# KiCad board solderCurved.kicad_pcb (continued)
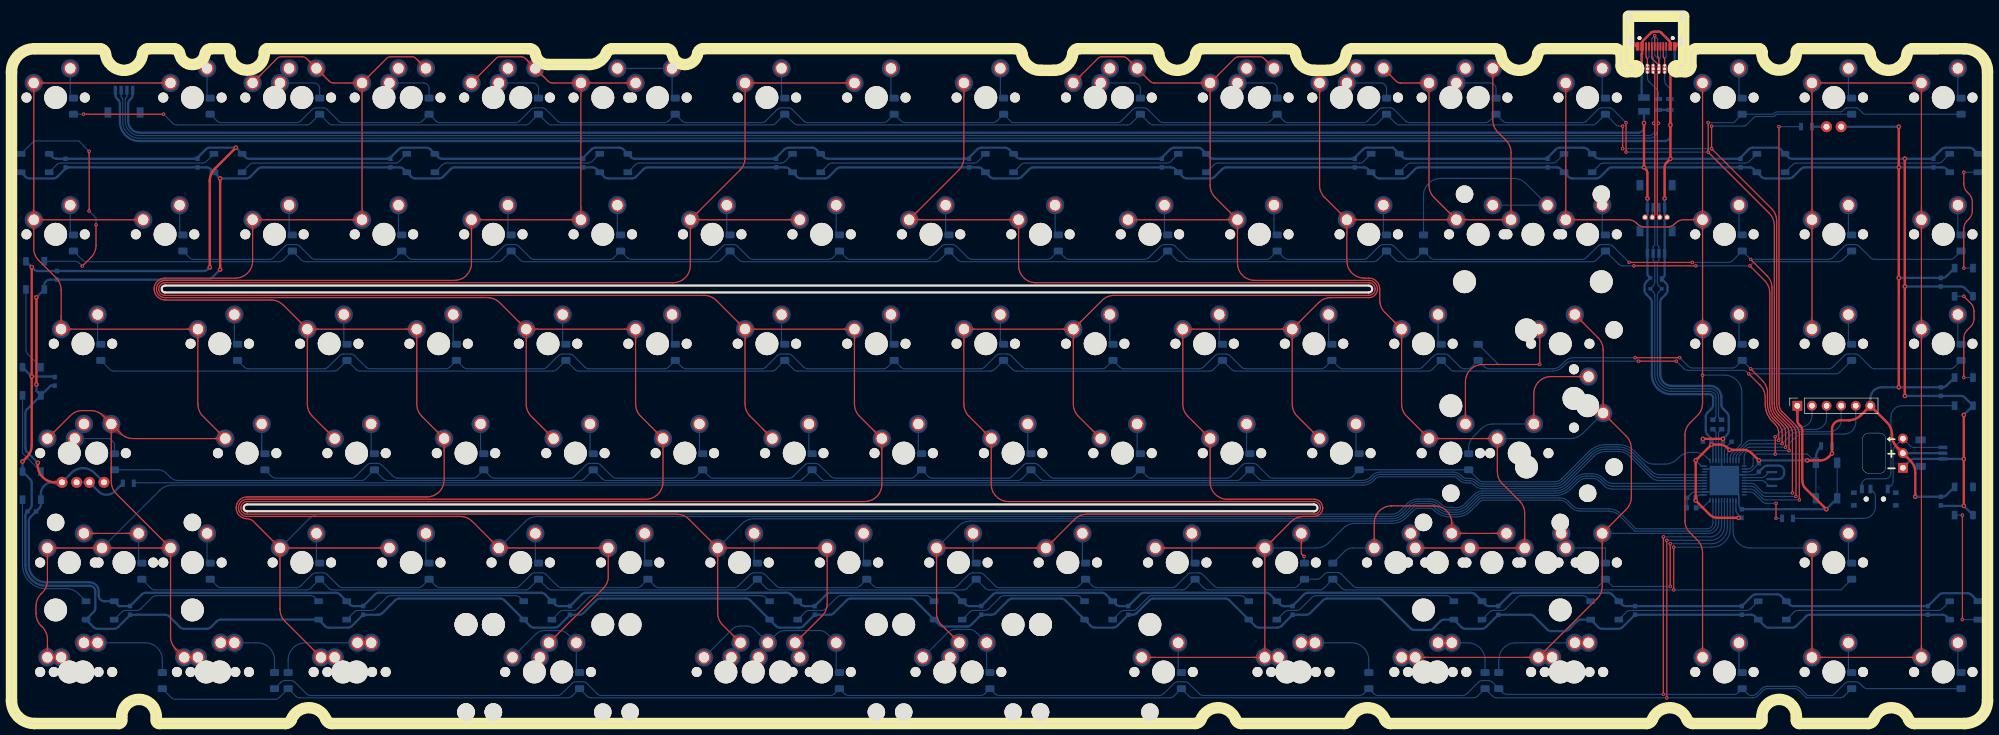
[diagram p0: board, top side]
## Copper pours and planes (outline as drawn; the poured copper is in the pictures) (continued)
Net-(D92-Pad2) on Bottom: 95.72,16.06 95.85,16.03 95.97,16 96.09,15.96 96.19,15.92 96.28,15.87 96.37,15.82 96.44,15.77 96.51,15.71 96.57,15.65 96.63,15.58 96.68,15.52 96.72,15.44 96.76,15.37 96.79,15.29 96.82,15.21 96.85,15.12 96.88,15.03 96.9,14.94 96.92,14.85 96.94,14.75 97.02,14.34 97.04,14.23 97.07,14.12 97.1,14.01 97.13,13.89 97.16,13.78 97.2,13.66 98.76,13.63 98.55,15.23 98.43,15.26 98.31,15.29 98.2,15.31 98.09,15.34 98,15.38 97.9,15.41 97.81,15.44 97.73,15.48 97.65,15.51 97.57,15.55 97.5,15.58 97,15.85 96.92,15.88 96.84,15.92 96.76,15.96 96.67,16 96.58,16.03 96.48,16.07 96.38,16.1 96.27,16.13 96.15,16.17 96.03,16.2 95.9,16.23 95.76,16.25
Net-(D92-Pad2) on Bottom: 89.41,13.84 89.31,13.75 89.21,13.66 89.12,13.59 89.03,13.52 88.94,13.46 88.85,13.41 88.77,13.37 88.69,13.33 88.6,13.3 88.52,13.28 88.44,13.26 88.36,13.24 88.28,13.23 88.2,13.22 88.12,13.21 88.04,13.21 87.62,13.2 87.53,13.19 87.44,13.18 87.34,13.17 87.24,13.16 87.14,13.14 87.03,13.12 86.93,13.1 86.81,13.06 86.7,13.03 86.65,10.95 88.73,10.99 88.77,11.11 88.8,11.22 88.83,11.33 88.85,11.43 88.87,11.54 88.88,11.63 88.89,11.73 88.9,11.82 88.9,11.91 88.92,12.34 88.92,12.42 88.93,12.5 88.93,12.58 88.95,12.66 88.96,12.74 88.98,12.82 89.01,12.9 89.04,12.98 89.07,13.06 89.12,13.15 89.17,13.23 89.23,13.32 89.29,13.41 89.37,13.51 89.45,13.6 89.55,13.7
Net-(D92-Pad2) on Bottom: 88.84,13.28 88.77,13.2 88.7,13.14 88.63,13.08 88.56,13.03 88.49,12.99 88.43,12.95 88.37,12.92 88.3,12.89 88.24,12.87 88.18,12.85 88.12,12.83 88.06,12.82 88.01,12.81 87.95,12.8 87.38,12.77 87.31,12.76 87.23,12.75 87.16,12.74 87.08,12.72 87,12.7 86.91,12.68 86.83,12.65 86.8,11.09 88.35,11.12 88.38,11.21 88.41,11.29 88.43,11.37 88.44,11.45 88.46,11.53 88.47,11.6 88.47,11.67 88.51,12.24 88.52,12.3 88.53,12.36 88.54,12.42 88.56,12.48 88.58,12.54 88.6,12.6 88.63,12.66 88.66,12.72 88.7,12.79 88.74,12.85 88.79,12.92 88.85,12.99 88.91,13.06 88.98,13.13
Net-(D93-Pad2) on Bottom: 169.87,11.66 169.87,11.77 169.88,11.86 169.89,11.95 169.9,12.03 169.91,12.11 169.93,12.18 169.95,12.25 169.98,12.31 170,12.37 170.03,12.43 170.06,12.48 170.1,12.53 170.13,12.58 170.17,12.63 170.55,13.06 170.59,13.11 170.64,13.17 170.68,13.24 170.72,13.3 170.77,13.37 170.81,13.45 170.85,13.53 169.77,14.65 168.69,13.53 168.73,13.45 168.77,13.37 168.82,13.3 168.86,13.24 168.91,13.17 168.95,13.11 168.99,13.06 169.37,12.63 169.41,12.58 169.44,12.53 169.48,12.48 169.51,12.43 169.54,12.37 169.56,12.31 169.59,12.25 169.61,12.18 169.63,12.11 169.64,12.03 169.65,11.95 169.66,11.86 169.67,11.77 169.67,11.66
Net-(D93-Pad2) on Bottom: 160.84,13.84 160.74,13.75 160.65,13.66 160.56,13.59 160.47,13.52 160.38,13.46 160.29,13.41 160.21,13.37 160.12,13.33 160.04,13.3 159.96,13.28 159.88,13.26 159.8,13.24 159.72,13.23 159.64,13.22 159.56,13.21 159.48,13.21 159.06,13.2 158.97,13.19 158.87,13.18 158.78,13.17 158.68,13.16 158.58,13.14 158.47,13.12 158.36,13.1 158.25,13.06 158.13,13.03 158.09,10.95 160.17,10.99 160.21,11.11 160.24,11.22 160.27,11.33 160.29,11.43 160.3,11.54 160.32,11.63 160.33,11.73 160.33,11.82 160.34,11.91 160.35,12.34 160.36,12.42 160.36,12.5 160.37,12.58 160.38,12.66 160.4,12.74 160.42,12.82 160.45,12.9 160.48,12.98 160.51,13.06 160.56,13.15 160.61,13.23 160.66,13.32 160.73,13.41 160.8,13.51 160.89,13.6 160.98,13.7
Net-(D93-Pad2) on Bottom: 160.28,13.28 160.2,13.2 160.13,13.14 160.06,13.08 160,13.03 159.93,12.99 159.87,12.95 159.8,12.92 159.74,12.89 159.68,12.87 159.62,12.85 159.56,12.83 159.5,12.82 159.44,12.81 159.38,12.8 158.81,12.77 158.74,12.76 158.67,12.75 158.59,12.74 158.52,12.72 158.43,12.7 158.35,12.68 158.26,12.65 158.23,11.09 159.79,11.12 159.82,11.21 159.84,11.29 159.86,11.37 159.88,11.45 159.89,11.53 159.9,11.6 159.91,11.67 159.95,12.24 159.95,12.3 159.96,12.36 159.98,12.42 159.99,12.48 160.01,12.54 160.04,12.6 160.06,12.66 160.1,12.72 160.13,12.79 160.18,12.85 160.23,12.92 160.28,12.99 160.35,13.06 160.42,13.13
Net-(D93-Pad2) on Bottom: 169.87,10.86 169.87,11 169.88,11.13 169.89,11.25 169.91,11.36 169.93,11.46 169.96,11.56 169.99,11.65 170.02,11.73 170.06,11.81 170.1,11.89 170.14,11.96 170.18,12.03 170.23,12.09 170.28,12.15 170.33,12.21 170.39,12.28 170.68,12.58 170.74,12.65 170.8,12.72 170.86,12.8 170.92,12.88 170.98,12.96 171.04,13.05 171.1,13.14 171.15,13.25 171.21,13.36 169.77,14.85 168.33,13.36 168.39,13.25 168.44,13.14 168.5,13.05 168.56,12.96 168.62,12.88 168.68,12.8 168.74,12.72 168.8,12.65 168.86,12.58 169.15,12.28 169.21,12.21 169.26,12.15 169.31,12.09 169.36,12.03 169.4,11.96 169.45,11.89 169.49,11.81 169.52,11.73 169.55,11.65 169.58,11.56 169.61,11.46 169.63,11.36 169.65,11.25 169.66,11.13 169.67,11 169.67,10.86
Net-(D93-Pad2) on Bottom: 168.01,15.67 168.08,15.6 168.14,15.53 168.2,15.46 168.25,15.39 168.29,15.33 168.33,15.26 168.36,15.2 168.39,15.14 168.42,15.08 168.44,15.02 168.45,14.96 168.46,14.9 168.47,14.84 168.48,14.78 168.52,14.21 168.52,14.14 168.54,14.07 168.55,13.99 168.56,13.91 168.58,13.83 168.61,13.75 168.64,13.66 170.19,13.63 170.16,15.19 170.08,15.22 169.99,15.24 169.91,15.26 169.83,15.28 169.76,15.29 169.69,15.3 169.61,15.31 169.04,15.34 168.99,15.35 168.93,15.36 168.87,15.37 168.81,15.39 168.75,15.41 168.69,15.43 168.62,15.46 168.56,15.49 168.5,15.53 168.43,15.57 168.36,15.62 168.3,15.68 168.22,15.74 168.15,15.82
Net-(D93-Pad2) on Bottom: 166.58,16.29 166.73,16.29 166.88,16.28 167.01,16.26 167.12,16.23 167.23,16.19 167.33,16.14 167.42,16.09 167.49,16.03 167.56,15.96 167.63,15.89 167.68,15.81 167.73,15.72 167.77,15.63 167.81,15.53 167.85,15.43 167.88,15.32 167.9,15.21 167.93,15.1 167.95,14.98 167.97,14.86 168.03,14.47 168.06,14.34 168.08,14.21 168.11,14.07 168.14,13.94 168.18,13.8 168.21,13.67 168.26,13.53 170.34,13.49 169.75,15.65 169.61,15.66 169.47,15.66 169.35,15.67 169.23,15.69 169.12,15.71 169.01,15.74 168.91,15.76 168.82,15.8 168.73,15.83 168.64,15.87 168.55,15.91 168.47,15.95 168.06,16.16 167.98,16.2 167.89,16.24 167.8,16.28 167.71,16.32 167.61,16.35 167.5,16.38 167.39,16.41 167.28,16.43 167.15,16.46 167.02,16.47 166.88,16.48 166.73,16.49 166.58,16.49
Net-(LED1-Pad1) on Bottom: 314.08,103.71 314.16,103.71 314.23,103.7 314.3,103.7 314.36,103.69 314.42,103.68 314.48,103.67 314.54,103.66 314.59,103.64 314.64,103.62 314.68,103.61 315.44,103.11 315.5,103.08 315.56,103.05 316.46,103.91 315.56,104.76 315.5,104.73 315.44,104.7 314.68,104.21 314.64,104.19 314.59,104.17 314.54,104.16 314.48,104.15 314.42,104.13 314.36,104.12 314.3,104.12 314.23,104.11 314.16,104.11 314.08,104.11
Net-(LED2-Pad1) on Bottom: 13.24,42.19 13.16,42.2 13.09,42.2 13.02,42.2 12.95,42.21 12.89,42.22 12.83,42.23 12.78,42.25 12.73,42.26 12.68,42.28 12.64,42.3 11.87,42.79 11.81,42.82 11.75,42.85 10.86,41.99 11.75,41.14 11.81,41.17 11.87,41.2 12.64,41.69 12.68,41.71 12.73,41.73 12.78,41.74 12.83,41.76 12.89,41.77 12.95,41.78 13.02,41.78 13.09,41.79 13.16,41.79 13.24,41.79
Net-(LED2-Pad1) on Bottom: 11.66,41.79 11.74,41.79 11.81,41.79 11.88,41.78 11.94,41.78 12.01,41.77 12.06,41.76 12.12,41.74 12.17,41.73 12.22,41.71 12.26,41.69 13.02,41.2 13.08,41.17 13.15,41.14 14.04,41.99 13.15,42.85 13.08,42.82 13.02,42.79 12.26,42.3 12.22,42.28 12.17,42.26 12.12,42.25 12.06,42.23 12.01,42.22 11.94,42.21 11.88,42.2 11.81,42.2 11.74,42.2 11.66,42.19
Net-(LED2-Pad1) on Bottom: 15.05,40.79 14.99,40.85 14.94,40.9 14.9,40.95 14.86,41.01 14.82,41.06 14.79,41.1 14.76,41.15 14.73,41.2 14.71,41.24 14.69,41.29 14.5,42.18 14.48,42.24 14.46,42.31 13.22,42.33 13.25,41.09 13.31,41.07 13.38,41.05 14.26,40.86 14.31,40.84 14.36,40.82 14.4,40.8 14.45,40.77 14.5,40.73 14.55,40.7 14.6,40.66 14.65,40.61 14.71,40.56 14.76,40.51
Net-(RGB1-Pad2) on Bottom: 6.7,80.58 5.93,80.93 5.46,80.48 5.93,80.03 6.7,80.38
Net-(RGB11-Pad4) on Bottom: 340.48,79.19 341.25,78.84 341.72,79.29 341.25,79.74 340.48,79.39
Net-(RGB11-Pad4) on Bottom: 341.33,95.88 342.11,95.53 342.57,95.98 342.11,96.43 341.33,96.08
Net-(RGB12-Pad2) on Bottom: 339.26,36.39 338.49,36.74 338.02,36.29 338.49,35.84 339.26,36.19
Net-(RGB12-Pad2) on Bottom: 341.33,17.99 342.1,17.64 342.57,18.09 342.1,18.54 341.33,18.19
Net-(RGB14-Pad2) on Bottom: 340.48,60.14 341.25,59.79 341.72,60.24 341.25,60.69 340.48,60.34
Net-(RGB14-Pad2) on Bottom: 339.26,74.49 338.49,74.84 338.02,74.39 338.49,73.94 339.26,74.29
Net-(RGB16-Pad2) on Bottom: 2.61,74.59 2.96,75.36 2.51,75.83 2.06,75.36 2.41,74.59
Net-(RGB17-Pad2) on Bottom: 2.02,56.14 2.37,56.91 1.92,57.38 1.47,56.91 1.82,56.14
Net-(RGB18-Pad2) on Bottom: 2.02,37.98 2.37,38.75 1.92,39.22 1.47,38.75 1.82,37.98
Net-(RGB19-Pad2) on Bottom: 52.32,22.13 52.38,22.11 52.43,22.09 52.48,22.07 52.52,22.05 52.56,22.03 52.6,22 52.63,21.98 52.66,21.96 52.98,21.13 53.63,21.11 53.6,21.77 52.38,22.32
Net-(RGB20-Pad2) on Bottom: 88.04,22.13 88.1,22.11 88.15,22.09 88.2,22.07 88.24,22.05 88.28,22.03 88.32,22 88.35,21.98 88.38,21.96 88.7,21.13 89.35,21.11 89.32,21.77 88.1,22.32
Net-(RGB21-Pad2) on Bottom: 130.84,22.13 130.89,22.11 130.94,22.09 130.99,22.07 131.03,22.05 131.07,22.03 131.11,22 131.14,21.98 131.17,21.96 131.5,21.13 132.15,21.11 132.11,21.77 130.89,22.32
Net-(RGB22-Pad2) on Bottom: 159.48,22.13 159.54,22.11 159.59,22.09 159.63,22.07 159.68,22.05 159.72,22.03 159.75,22 159.79,21.98 159.82,21.96 160.14,21.13 160.79,21.11 160.75,21.77 159.54,22.32
Net-(RGB23-Pad2) on Bottom: 185.67,22.13 185.73,22.11 185.78,22.09 185.83,22.07 185.87,22.05 185.91,22.03 185.95,22 185.98,21.98 186.01,21.96 186.33,21.13 186.98,21.11 186.95,21.77 185.73,22.32
Net-(RGB24-Pad2) on Bottom: 214.25,22.13 214.3,22.11 214.36,22.09 214.4,22.07 214.45,22.05 214.49,22.03 214.52,22 214.56,21.98 214.59,21.96 214.91,21.13 215.56,21.11 215.52,21.77 214.31,22.32
Net-(RGB25-Pad2) on Bottom: 249.97,22.13 250.02,22.11 250.07,22.09 250.12,22.07 250.16,22.05 250.2,22.03 250.24,22 250.27,21.98 250.3,21.96 250.63,21.13 251.28,21.11 251.24,21.77 250.02,22.32
Net-(RGB26-Pad2) on Bottom: 273.78,22.13 273.84,22.11 273.89,22.09 273.93,22.07 273.98,22.05 274.02,22.03 274.05,22 274.09,21.98 274.12,21.96 274.44,21.13 275.09,21.11 275.05,21.77 273.84,22.32

Small or netless copper shapes (teardrops, artwork), in the pictures only: 135 on Top, 439 on Bottom

## Text on the board
B.Silkscreen: ← | + | -
User.Drawings: Diode / X: 3.099mm / Y: 1.5mm
F.Silkscreen: ← | + | -
